# Altium PCB Gebru.PcbDoc (part 1 of 3) (continued)
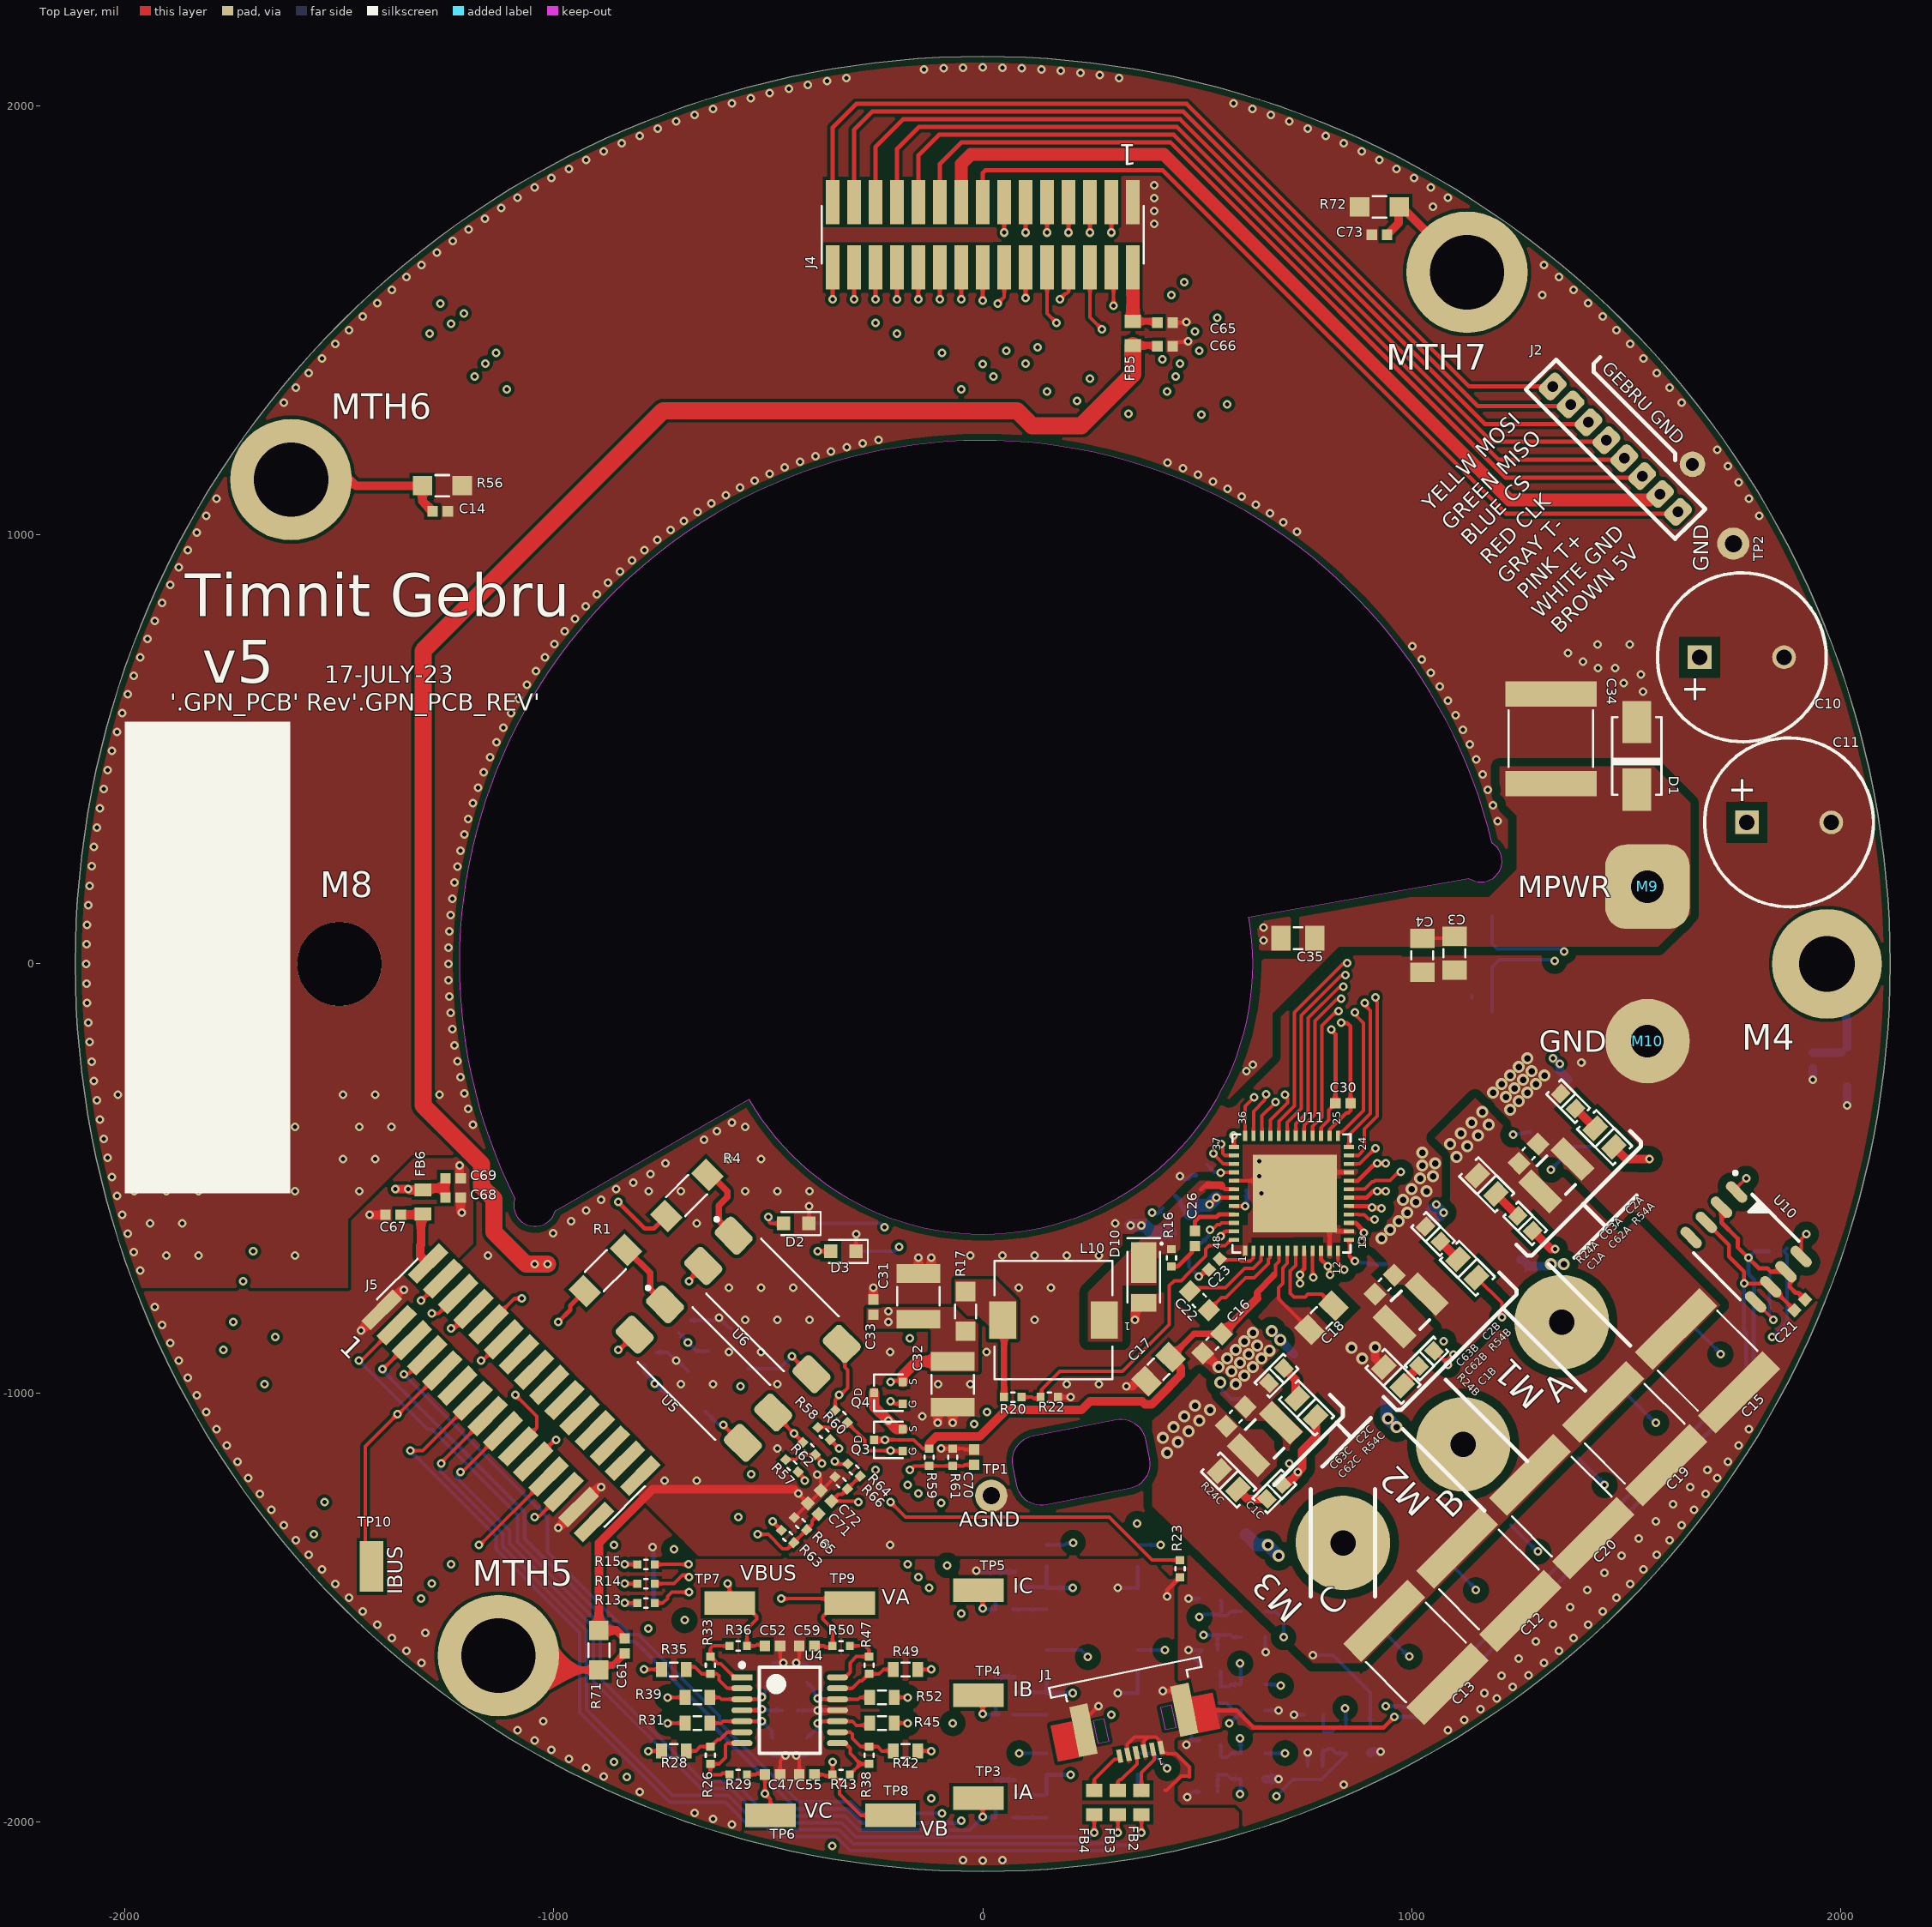
[diagram p0: Top Layer view]
## Footprints (in the part's own frame and the unit in brackets; to place one, negate y for a bottom-side part, rotate by r counter-clockwise, add the part's x,y. Pads: shape width x height; smd on the part's side, far side on the other; paste and mask are expansions set on the pad) (continued)
  rect 0.77x0.98 smd: 1(-0.715,0) 2(0.715,0)
  body extent -0.87,-0.48 0.87,0.48, height 1.05
Keystone_8737 [mm]
  round 5.6 hole 1.5 paste-1.27 mask+0.051: 1(0,0)
  body extent -2.68,-2.01 3.47,2, height 7.91
LEDSC160X80X90L40-BLUE [mm] "LED, Side Concave, 2-Leads, Body 1.60x0.80mm"
  rect 0.8x0.8 smd: 1(-0.75,0) 2(0.75,0)
  silkscreen extent -1.45,-0.69 0.86,0.69, body extent -0.8,-0.4 0.8,0.4, height 0.8
LEDSC160X80X90L40-GREEN [mm] "LED, Side Concave, 2-Leads, Body 1.60x0.80mm"
  rect 0.8x0.8 smd: 1(-0.75,0) 2(0.75,0)
  silkscreen extent -1.45,-0.69 0.86,0.69, body extent -0.8,-0.4 0.8,0.4, height 0.8
MOLEX_FPC_527460671 [mm]
  rect 0.3x0.8 smd mask+0.05: 1(-1.25,0.963) 2(-0.75,0.963) 3(-0.25,0.963) 4(0.25,0.963) 5(0.75,0.963) 6(1.25,0.963)
  rect 1.1x3.05 smd mask+0.05: M1(-3.05,-0.962) M2(3.05,-0.962)
  Top Layer region: -4.9,-1.637 -3.6,-1.637 -3.6,0.563 -4.9,0.563
  Top Layer region: 3.6,-1.636 4.9,-1.636 4.9,0.564 3.6,0.564
  Top Layer keep-out region: 1.7,-1.377 2.372,-1.377 2.372,-0.037 1.7,-0.037
  Top Layer keep-out region: -2.371,-1.378 -1.699,-1.378 -1.699,-0.038 -2.371,-0.038
  silkscreen extent -4.55,-3.84 4.55,-2.84, body extent -4.55,-3.84 4.55,1.16, height 2
NETTIE_10MIL [mil] "Net Tie 10 mils x 50 mils"
  round 10 smd paste-10 mask+4: 1(0,0) 2(0,-40)
  Top Layer lines w10: 0,0 0,-40
OPTO_HCPL-817-56CE [mm]
  rrect35% 2x1.5 smd mask+0.05: 1(-4.53,1.27) 2(-4.53,-1.27) 3(4.53,-1.27) 4(4.53,1.27)
  silkscreen extent -6.03,-2.3 3.25,2.3, body extent -3.25,-2.3 3.25,2.3, height 4.6
POWERDI123_DFLS1100-7 [mm]
  rect 1.05x1.5 smd mask+0.05: A(-1.525,0)
  rect 2.4x1.5 smd mask+0.05: K(0.85,0)
  silkscreen extent -1.5,-1.12 2.31,0.96, body extent -1.85,-0.89 1.85,0.89, height 0.99
R0402#1 [mm]
  rect 0.475x0.5 smd mask+0.05: 1(-0.513,0) 2(0.513,0)
  silkscreen extent -0.1,-0.28 0.1,0.28, body extent -0.5,-0.25 0.5,0.25, height 0.35
R0402#2 [mm]
  rect 0.475x0.5 smd mask+0.05: 1(-0.512,0)
  rect 0.5x0.475 smd mask+0.05: 2(0.512,0)
  silkscreen extent -0.1,-0.28 0.1,0.28, body extent -0.5,-0.25 0.5,0.25, height 0.35
R0402_H0.55MM [mm]
  rect 0.475x0.5 smd mask+0.05: 1(-0.513,0) 2(0.513,0)
  silkscreen extent -0.1,-0.28 0.1,0.28, body extent -0.53,-0.27 0.53,0.28, height 0.55
R0603 [mm] "Chip Resistor, 2-Leads, Body 1.6x0.8mm, IPC High Density"
  rect 0.65x0.9 smd mask+0.05: 1(-0.725,0) 2(0.725,0)
  silkscreen extent -0.23,-0.4 0.23,0.4, body extent -0.8,-0.4 0.8,0.4, height 0.45
R0805 [mm] "Chip Resistor, 2-Leads, Body 2.0x1.3mm, IPC High Density"
  rect 1.15x1.15 smd mask+0.05: 1(-1.175,0) 2(1.175,0)
  silkscreen extent -0.4,-0.63 0.4,0.63, body extent -1,-0.62 1,0.63, height 0.6
R1206 [mm] "Chip Resistor, 2-Leads, Body 3.1x1.6mm, IPC High Density"
  rect 1.25x1.5 smd mask+0.05: 1(-1.725,0) 2(1.725,0)
  silkscreen extent -0.92,-0.8 0.92,0.8, body extent -1.6,-0.8 1.6,0.8, height 0.6
R2512_H0.8MM [mm]
  rect 2.7x3.6 smd mask+0.05: 1(-2.825,0) 2(2.825,0)
  silkscreen extent -1.1,-1.5 1.1,1.5, body extent -3.18,-1.5 3.17,1.5, height 0.6
"RES 0402_1005 RF" [mm] "Chip Resistor, 2-Leads, Body 1.0x0.5mm, IPC High Density"
  rect 0.7x0.6 smd: 1(-0.45,0) 2(0.45,0)
  silkscreen extent -1.02,-0.51 1.02,0.51, body extent -0.5,-0.25 0.5,0.25, height 0.35
"RES 0805_2012 RF" [mm] "Chip Resistor, 2-Leads, Body 2.00x1.25mm, IPC High Density"
  rect 0.95x1.25 smd: 1(-0.775,0) 2(0.775,0)
  silkscreen extent -1.5,-0.8 1.5,0.8, body extent -1,-0.62 1,0.63, height 0.6
RESC100X50X40L25 [mm] "Chip Resistor, 2-Leads, Body 1.00x0.50mm, IPC Medium Density"
  rect 0.55x0.55 smd: 1(-0.525,0) 2(0.525,0)
  body extent -0.53,-0.28 0.52,0.27, height 0.4
SMA_B130-13-F [mm]
  rect 2.5x1.7 smd mask+0.05: A(2,0) K(-2,0)
  silkscreen extent -2.3,-1.46 2.3,1.46, body extent -2.79,-1.46 2.8,1.46, height 2.35
SOT23-3P95_240X110L43N [mm] "SOT23, 3-Leads, Body 2.92x2.37mm, Pitch 0.95mm, IPC Medium Density"
  rect 1x0.6 smd: 1(-1.2,0.95) 2(-1.2,-0.95) 3(1.2,0)
  silkscreen extent -1.32,-1.5 0.7,1.92, body extent -1.32,-1.52 1.32,1.52, height 1.11
"TI SOIC-8 D0008A" [mm] "Package SOIC-8, 8-Leades, 4.90 x 3.89 mm Body , Pitch 1.27 mm"
  oval 1.55x0.6 smd: 1(-2.7,1.905) 2(-2.7,0.635) 3(-2.7,-0.635) 4(-2.7,-1.905) 5(2.7,-1.905) 6(2.7,-0.635) 7(2.7,0.635) 8(2.7,1.905)
  silkscreen extent -3.65,-2.45 2.05,2.75, body extent -3,-2.45 3,2.45, height 1.75
TI_SON5X6 [mm] "SON, 8-Leads, Body 5.00x6.00mm, Pitch 1.27mm, IPC Medium Density"
  rect 1.372x0.71 smd: 1(-2.77,-0.635) 1(-2.77,0.635) 1(-2.77,1.905) 4(-2.77,-1.905) 5(2.77,1.905) 5(2.77,-1.905) 5(2.77,-0.635) 5(2.77,0.635)
  rect 3.85x4.52 smd: 5(0.94,0)
  silkscreen extent -3.65,-2.7 3.2,2.75, body extent -3.23,-2.59 2.87,2.51, height 1.05
TP_KEYSTONE_5001 [mil]
  round 75 hole 40: 1(0,0)
  body extent -50,-50 50,50, height 191
TP_KEYSTONE_5015 [mm]
  rect 3x1.4 smd: 1(0,0)
  body extent -1.33,-0.51 1.33,0.51, height 1.52
TUMT3 [mm]
  rect 0.5x0.5 smd mask+0.05: D(0,0.85) G(-0.65,-0.85) S(0.65,-0.85)
  silkscreen extent -1.08,-0.85 1.08,0.85, body extent -1,-1.05 1,1.05, height 0.89
VQFN50P700X700X100-48-TP_TP-CUST_NO_VIAS [mm]
  rect 0.6x0.24 smd mask+0.07: 1(-3.4,2.75) 2(-3.4,2.25) 3(-3.4,1.75) 4(-3.4,1.25) 5(-3.4,0.75) 6(-3.4,0.25) 7(-3.4,-0.25) 8(-3.4,-0.75) 9(-3.4,-1.25) 10(-3.4,-1.75) 11(-3.4,-2.25) 12(-3.4,-2.75) 25(3.4,-2.75) 26(3.4,-2.25) 27(3.4,-1.75) 28(3.4,-1.25) 29(3.4,-0.75) 30(3.4,-0.25) 31(3.4,0.25) 32(3.4,0.75) 33(3.4,1.25) 34(3.4,1.75) 35(3.4,2.25) 36(3.4,2.75)
  rect 0.24x0.6 smd mask+0.07: 13(-2.75,-3.4) 14(-2.25,-3.4) 15(-1.75,-3.4) 16(-1.25,-3.4) 17(-0.75,-3.4) 18(-0.25,-3.4) 19(0.25,-3.4) 20(0.75,-3.4) 21(1.25,-3.4) 22(1.75,-3.4) 23(2.25,-3.4) 24(2.75,-3.4) 37(2.75,3.4) 38(2.25,3.4) 39(1.75,3.4) 40(1.25,3.4) 41(0.75,3.4) 42(0.25,3.4) 43(-0.25,3.4) 44(-0.75,3.4) 45(-1.25,3.4) 46(-1.75,3.4) 47(-2.25,3.4) 48(-2.75,3.4)
  rect 4.6x4.975 smd paste-4.975 mask+0.07: 49(0,-0.188)
  silkscreen extent -3.5,-3.5 3.5,3.5, body extent -3.5,-3.5 3.5,3.5, height 1
WURTH_WCAP-PTHR_10x12.5x5 [mm] "Aluminium Polymer Radial THD Capacitors, §¶10x12.5mm"
  rect 1.4x1.4 hole 0.9: 1(2.5,0)
  round 1.4 hole 0.9: 2(-2.5,0)
  silkscreen extent -5,-5 5,5, body extent -4.99,-5 4.96,4.97, height 12.81

## Part data
C1A C1B C1C: library part C, "Automotive grade SMD 0603 capacitor such as Vishay GA....31G series. 1nF 0603 10% X7R 100V", Temperature Coefficient=X7R, Tolerance=10%, Voltage Rating=100V, Capacitance=1nF, Size Code=0603
C2A C2B C2C: library part C, "Automotive grade SMD 0603 capacitor such as Vishay GA....31G series. 2.2nF 0603 10% X7R 100V", Temperature Coefficient=X7R, Tolerance=10%, Voltage Rating=100V, Capacitance=2.2nF, Size Code=0603
C3 C4 C17 C18 C35: library part 1093, "CAP, CER, X7S, 1uF, 20%, 100V, 0805", Dielectric=X7S, Package=0805, Tolerance=20%, Voltage=100V, COMMON=150-01093-00, ComponentLink1Description=Datasheet, EES=150-04579-00, Gecko=150-01093-00, Height="1.5mm T", ID=1093, LOON=150-01093-00, MFG=TDK, MFG P/N=CGA4J3X7S2A105M125AE, PROXY=150-03473-00, Status=Released, XPN=XS-10001040
C5 C14 C26 C27 C28 C29 C41 C42 C43 C47 C55 C59 C61 C71 C72 C73: library part 625, "CAP, CER, X7R, 0.01uF, 50V, 20%, 0402, 0.56mm T", Dielectric=X7R, Package=0402, Tolerance=20%, Voltage=50V, COMMON=150-00227-00, ComponentLink1Description=Datasheet, EES=150-04592-00, Gecko=150-00227-00, Height="0.56mm T", ID=625, LOON=150-00227-00, MFG=KEMET, MFG P/N=C0402C103M5RACTU, Status=Released, XPN=150-00227-00
C10 C11: library part 31291c97-b9eb-436f-b2ee-2be21f893d37, "WCAP-PTHR ALUMINUM POLYMER CAP", Manufacturer="Wurth Electronics", Manufacturer Part Number=870056175004, Operating Temperature="-55 °C ~ 105 °C", Package="Cap, Radial, Thru-Hole", Tolerance=0.2, Voltage Rating=80V, Category="Polymer Capacitors", ComponentId=31291c97-b9eb-436f-b2ee-2be21f893d37, ComponentLink1Description=Datasheet, ComponentLink1URL=https://katalog.we-online.de/pbs/datasheet/870056175004.pdf, Grade=Commercial, Status=Preliminary
C12 C13 C15 C19 C20 C34: library part 207, "CAP, CER, X7S, 15uF, 100V, 20%, 2220, 2.8mm T", Dielectric=X7S, Package=2220, Tolerance=20%, Voltage=100V, COMMON=150-00255-00, ComponentLink1Description=Datasheet, Height="2.8mm T", ID=207, MFG=TDK, MFG P/N=C5750X7S2A156M250KB, Status=Released, XPN=150-00255-00
C16 C36 C63A C63B C63C: library part 1039, "CAP, CER, X7S, 0.1uF, 100V, 10%, 0603, AUTOGRADE", Dielectric=X7R, Package=0603, Tolerance=10%, Voltage=100V, COMMON=150-00222-00, ComponentLink1Description=Datasheet, EES=150-04577-00, Gecko=150-04433-00, Height="0.9mm T", ID=1039, LOON=150-00222-00, MFG=TDK, MFG P/N=CGA3E3X7S2A104K080AB, PROXY=150-03755-00, Status=Released, XPN=150-00222-00
C21 C24 C30 C33 C38 C39 C40 C46 C52 C65 C66 C67 C68 C70: library part 1762, "CAP, CER, X5R, 0.1uF, 10%, 50V, 0402, 0.55mm", Dielectric=X5R, Package=0402, Supplier Part Number 1=311-3342-1-ND, Tolerance=10%, Voltage=50V, ComponentLink1Description=Datasheet, ComponentLink1URL=http://www.yageo.com/documents/recent/UPY-GPHC_X5R_4V-to-50V_25.pdf, EES=150-04581-00, EPIC=G150-02449-00, Height=0.55mm, HelpURL=https://www.digikey.com/product-detail/en/yageo/CC0402KRX5R9BB104/311-3342-1-ND/6818312, ID=1762, MFG=YAGEO, MFG P/N=CC0402KRX5R9BB104, Status=Released, Supplier 1=Digi-Key
C22: library part 1838, "CAP, CER, X7R, 0.047uF, 100V, 10%, 0603, AUTOGRADE", Dielectric=X7R, Package=0603, Supplier Part Number 1=1276-6984-1-ND, Tolerance=10%, Voltage=100V, ComponentLink1Description=Datasheet, ComponentLink1URL=https://www.samsungsem.com/resources/file/global/support/product_catalog/MLCC.pdf, EES=150-04561-00, Height=0.9mm, HelpURL=https://www.digikey.com/product-detail/en/samsung-electro-mechanics/CL10B473KC8WPNC/1276-6984-1-ND/7320626, ID=1838, MFG="Samsung Electro-Mechanics", MFG P/N=CL10B473KC8WPNC, Status=Released, Supplier 1=Digi-Key
C23 C25 C37 C69: library part 1717, "CAP, CER, X5R, 1uF, 10%, 25V, 0402", Dielectric=X5R, Package=0402, Supplier Part Number 1=445-9066-1-ND, Tolerance=10%, Voltage=25V, COMMON=150-01202-00, ComponentLink1Description=Datasheet, ComponentLink1URL=https://product.tdk.com/info/en/catalog/datasheets/mlcc_commercial_general_en.pdf, EES=150-04580-00, Height=0.56mm, HelpURL=https://www.digikey.in/product-detail/en/tdk-corporation/C1005X5R1E105K050BC/445-9066-1-ND/3648637, ID=1717, MFG=TDK, MFG P/N=C1005X5R1E105K050BC, PROXY=150-03358-00, Status=Released, Supplier 1=Digi-Key
C31 C32: library part 1813, "CAP, CER, X5R, 10uF, 50V, 20%, 1210", Dielectric=X5R, Package=1210, Supplier Part Number 1=587-2225-1-ND, Tolerance=20%, Voltage=50V, ComponentLink1Description=Datasheet, ComponentLink1URL=https://media.digikey.com/pdf/Data%20Sheets/Taiyo%20Yuden%20PDFs%20URL%20links/UMK325BJ106MM-T_Spec.pdf, EES=150-04569-00, Gecko=150-04488-00, Height=2.7mm, HelpURL=https://www.digikey.com/product-detail/en/taiyo-yuden/UMK325BJ106MM-T/587-2225-1-ND/2002923, ID=1813, MFG="TAIYO YUDEN", MFG P/N=UMK325BJ106MM-T, Status=Released, Supplier 1=Digi-Key
C44 C45 C48 C49 C50 C51 C53 C54 C56 C57 C58 C60: library part 1447, "CAP, CER, C0G, 47PF, 5%, 50V, 0402", Dielectric=NP0, Package=0402, Tolerance=5%, Voltage=50V, COMMON=150-00181-00, ComponentLink1Description=Datasheet, Height="0.56mm T", ID=1447, MFG=TDK, MFG P/N=C1005C0G1H470J050BA, PROXY=150-03463-00, Status=NRND, XPN=150-00181-00
C62A C62B C62C: "CAP CER 4.7UF 100V X7S 1210", Capacitance=4.7µF, Manufacturer="TDK Corporation", Manufacturer Part Number=C3225X7S2A475M200AB, Operating Temperature="-55°C ~ 125°C", Package / Case="1210 (3225 Metric)", Part Number=150-01016-00, Ratings=-, Supplier Part Number 1=445-6043-1-ND, Temperature Coefficient=X7S, Tolerance=±20%, Voltage - Rated=100V, Applications="General Purpose", Category=Capacitors, ComponentLink1Description=http://product.tdk.com/en/catalog/datasheets/mlcc_commercial_midvoltage_en.pdf, ComponentLink1URL=http://product.tdk.com/en/catalog/datasheets/mlcc_commercial_midvoltage_en.pdf, Features=-, Height - Seated (Max)=-, Lead Spacing=-, Lead Style=-, Mounting Type="Surface Mount, MLCC", Packaging="Cut Tape (CT)", Pricing 1="1=1.4, 10=1.148, 100=0.812, 250=0.672, 500=0.602 (USD)", RoHS="RoHS Compliant", Size / Dimension="0.126\" L x 0.098\" W (3.20mm x 2.50mm)", Stock 1=146032, Supplier 1=Digi-Key, Thickness (Max)="0.087\" (2.20mm)"
D1: library part 200, "DIODE, TVS, UNI-DIR, 70VR, 100VCL, 400W, 140PF @1MHZ, SMA", Operating Temperature – Junction="-55°C ~ 150°C (TJ)", Package=SMA, Supplier Part Number 1=SMAT70A-FDICT-ND, Voltage - Clamping (Max) @ Ipp=100V, Voltage - DC Reverse (VR) (MAX)=70V, Category=Diode, ComponentLink1Description=Datasheet, ComponentLink1URL=https://www.diodes.com/assets/Datasheets/ds30213.pdf, Diode Type=TVS, HelpURL=https://www.digikey.in/product-detail/en/diodes-incorporated/SMAT70A-13-F/SMAT70A-FDICT-ND/804910, ID=200, MFG="Diodes Incorporated", MFG P/N=SMAT70A-13-F, Mounting Type=SMD, PROXY=480-01326-00, RoHS Compliant=Yes, Status=Released, Supplier 1=Digi-Key
D2: library part 97055cde-46be-5a44-ad2e-f3c9fb2da68b, "LED, GREEN, 569nm, 30mA, CLEAR, 0603", Current Rating=0.030A, Manufacturer="Lite-On Optoelectronics", Manufacturer Part Number=LTST-C190GKT, Operating Temperature="-55 °C ~ 85 °C", Package="0603 (1608 Metric)", Part Number=370-00010-00, Power Rating=0.100W, Category="Light Emitting Diodes (LED)", ComponentId=97055cde-46be-5a44-ad2e-f3c9fb2da68b, ComponentLink1Description=Datasheet, ComponentLink1URL=http://media.digikey.com/pdf/Data%20Sheets/Lite-On%20PDFs/LTST-C190GKT.pdf, Max Height=0.90mm, Status=Released, Storage Temperature="-55 °C ~ 85 °C"
D3: library part f11939b8-268a-575b-b7c2-77af98891583, "LED, BLUE, 470nm, 15mA, DIFFUSED, 0603", Current Rating=0.015A, Manufacturer="Osram Opto", Manufacturer Part Number="LB Q39G-L2N2-35-1", Operating Temperature="-40 °C ~ 85 °C", Package="0603 (1608 Metric)", Part Number=370-00009-00, Power Rating=0.048W, Category="Light Emitting Diodes (LED)", ComponentId=f11939b8-268a-575b-b7c2-77af98891583, ComponentLink1Description=Datasheet, ComponentLink1URL=https://media.digikey.com/pdf/Data%20Sheets/Osram%20PDFs/LB_LT%20Q39G.pdf, Max Height=0.40mm, Status=Released, Storage Temperature="-40 °C ~ 85 °C"
D10: library part 203, "DIODE, SCHOTTKY, 100V, 1A, POWERDI123", Current - Average Rectified (IO)=1A, Current - Reverse Leakage @ VR="1µA @ 100V", Operating Temperature – Junction="-55°C ~ 175°C", Package=POWERDI®123, Supplier Part Number 1=DFLS1100DICT-ND, Voltage - DC Reverse (VR) (MAX)=100V, Voltage – Forward (VF) (MAX) @ IF="770mV @ 1A", Category=Diode, ComponentLink1Description=Datasheet, ComponentLink1URL=https://www.diodes.com/assets/Datasheets/ds30497.pdf, Diode Type=Schottky, EES=480-01752-00, HelpURL=https://www.digikey.in/product-detail/en/diodes-incorporated/DFLS1100-7/DFLS1100DICT-ND/765634?utm_adgroup=Semiconductor+Modules&mkwid=sEPp89yZo&pcrid=217293262460&pkw=&pmt=b&pdv=c&productid=&&gclid=EAIaIQobChMI07vviJLx3AIVWBiPCh384A5OEAAYAyAAEgIdtPD_BwE, ID=203, MFG="Diodes Incorporated", MFG P/N=DFLS1100-7, Mounting Type=SMD, PROXY=480-01332-00, RoHS Compliant=Yes, Status=Released, Supplier 1=Digi-Key
FB2 FB3 FB4 FB5 FB6: library part f5bd4cf1-070f-4480-bf1a-f8cba0e78574, "FERRITE BEAD 220 OHM 0603 1LN", Current Rating=2A, Manufacturer="Laird Technologies", Manufacturer Part Number=MI0603L221R-10, Operating Temperature="-40 °C ~ 125 °C", Package="Inductor, 0603", Category="Ferrite Beads", ComponentId=f5bd4cf1-070f-4480-bf1a-f8cba0e78574, ComponentLink1Description=Datasheet, ComponentLink1URL=https://media.digikey.com/pdf/Data%20Sheets/Laird%20Technologies/EMI_Filtering_and_RF_Inductors.pdf, Grade=Commercial, Status=Preliminary, Storage Temperature="-40 °C ~ 125 °C"
J1: library part 1210, "CONN, FFC, RA, 1x6 P, 0.5MM PITCH, 2.3MM H, GOLD, SMD", Current Rating=0.5A, Operating Temperature="-20°C ~ 85°C", Supplier Part Number 1=WM7977TR-ND, Voltage, Rated=50V, ComponentLink1Description=Datasheet, ComponentLink1URL=https://www.molex.com/pdm_docs/sd/527460671_sd.pdf, Connector Type=FFC, EES=210-04996-00, Features="Contacts, Bottom", Height=2.3mm, HelpURL=https://www.digikey.com/en/products/detail/molex/0527460671/2074148?s=N4IgTCBcDaIKxgOwBYBsAGViCMIC6AvkA, ID=1210, MFG=Molex, MFG P/N=527460671, Mounting Type="Surface Mount", Number of Positions=6, Number of Rows=1, Orientation="Right Angle", Pitch=0.5mm, RoHS Compliant=Yes, Status=Released, Sub Assy Qty 2=0, Sub Assy Qty 3=0, Sub Assy Qty 4=0, Supplier 1=Digi-Key
J4 J5: library part 1207, "CONN, HDR, UNSHRD, VERT, 2x15 P, 1.27MM PITCH, 5.33MM H, GOLD, SMD", Current Rating=1A, Operating Temperature="-40°C ~ 105°C", Supplier Part Number 1=952-1695-ND, ComponentLink1Description=Datasheet, ComponentLink1URL=https://cdn.harwin.com/pdfs/M50-360.pdf, Connector Type=Header, EES=210-04985-00, Gender=Male, Height=5.33mm, HelpURL=https://www.digikey.com/en/products/detail/harwin-inc/M50-3601542/2762094, ID=1207, MFG="Harwin Inc.", MFG P/N=M50-3601542, Mounting Type="Surface Mount", Number of Positions=30, Number of Rows=2, Orientation=Vertical, Pitch=1.27mm, RoHS Compliant=Yes, Row Spacing=1.27mm, Status=Released, Sub Assy Qty 2=0, Sub Assy Qty 3=0, Sub Assy Qty 4=0, Supplier 1=Digi-Key
L10: library part 938, "IND, WIREWOUND, SHIELDED, 220uH, 0.74A, 20%, DCR 0.624, SMD, AUTOGRADE", Package="2 - pin SMD", Supplier Part Number 1=994-MSS7348-224MEB, Tolerance=20%, Catagory="Fixed Inductors", ComponentLink1Description=Datasheet, ComponentLink1URL=https://www.coilcraft.com/en-us/products/power/shielded-inductors/ferrite-drum/mss-mos/mss7348/#, EES=180-02231-00, Height=4.8mm, HelpURL=https://www.mouser.in/ProductDetail/Coilcraft/MSS7348-224MEB?qs=0gpYmj5HUPI60pjVHs4RmA%3D%3D, ID=938, Idc max="740 mA", MFG=Coilcraft, MFG P/N=MSS7348-224ME_, Rdc max="624 mOhms", Status=Released, Supplier 1=Mouser
M1 M2 M3: library part Keystone_8737_post, "1.5mm hole 5.6mm pad"
M4: library part MtgHole_2
M8: library part MtgHole
M9 M10: library part MtgHole_1
MTH5 MTH6 MTH7: library part Wurth_4mm_Spacer_9774040960R, "Spacer Material: Steel Mounting: SMT Series: WA-SMST For ø: 3.3 mm", Manufacturer="Wurth Electronics", Supplier Part Number 1=732-7092-1-ND, Category="Spacers, Standoffs", ComponentLink1Description=http://www.farnell.com/datasheets/1960394.pdf?src-supplier=Farnell, ComponentLink1URL=http://www.farnell.com/datasheets/1960394.pdf?src-supplier=Farnell, ComponentLink2Description=http://www.mouser.com/ds/2/445/9774040960R-611108.pdf?src-supplier=Mouser, ComponentLink2URL=http://www.mouser.com/ds/2/445/9774040960R-611108.pdf?src-supplier=Mouser, ComponentLink3Description=https://media.digikey.com/pdf/Data%20Sheets/Wurth%20Electronics%20PDFs/WA-SMSx_Performance_Flyer.pdf?src-supplier=Digi-Key, ComponentLink3URL=https://media.digikey.com/pdf/Data%20Sheets/Wurth%20Electronics%20PDFs/WA-SMSx_Performance_Flyer.pdf?src-supplier=Digi-Key, ComponentLink4Description=http://www.farnell.com/datasheets/1960394.pdf?src-supplier=Element14, ComponentLink4URL=http://www.farnell.com/datasheets/1960394.pdf?src-supplier=Element14, ComponentLink5Description=http://www.farnell.com/datasheets/1960394.pdf?src-supplier=Newark, ComponentLink5URL=http://www.farnell.com/datasheets/1960394.pdf?src-supplier=Newark, Inside Diameter=0.13inch, Length=0.213inch, Manufacturer Part Number=9774040960R, Material=Steel, Outside Diameter=0.236inch, Plating=Tin, Pricing 1="1=1.79000, 10=1.71600, 50=1.50700, 100=1.40200 (USD)", REACH SVHC=Unknown, RoHS=Yes, Stock 1=190, Supplier 1=Digi-Key, Threaded/Unthreaded=Unthreaded
NT1A NT1B NT1C: library part 5ac3c692-7d27-4cd1-ace3-d4aa111a5a9d, "Net Tie, 10mil trace", Manufacturer=Mechanical, Manufacturer Part Number=NET_TIE_10MIL, Category="Mechanical Parts", ComponentId=5ac3c692-7d27-4cd1-ace3-d4aa111a5a9d, ComponentLink1Description=Datasheet, Package="Net Tie, 10mil trace", Status=Preliminary
Q1A Q1B Q1C Q2A Q2B Q2C: library part be020311-d2d7-4d79-a360-c856c6f37d83, "MOSFET N-CH 100V 100A 8SON", Current Rating=100A, Manufacturer="Texas Instruments", Manufacturer Part Number=CSD19532Q5B, Operating Temperature="-55 °C ~ 150 °C", Package="8-PowerTDFN SON5x6", Part Number=480-00437-00, Power Rating=195W, Voltage Rating=100V, Category="N-Channel MOSFETs", ComponentId=be020311-d2d7-4d79-a360-c856c6f37d83, ComponentLink1Description=Datasheet, ComponentLink1URL=http://www.ti.com/lit/ds/symlink/csd19532q5b.pdf, Grade=Commercial, Max Height=1.05mm, Status=Preliminary, Storage Temperature="-55 °C ~ 150 °C"
Q3 Q4: library part 171, "MOSFET, PWR, P-CH, 45VDS, 1A ID, 460mOhm@ 1A, SMD-3", Current - Continuios Drain (ID) @ 25° C="1A (Ta)", Input Capacitance (CISS) @ VDS="160pF @ 10V", Operating Temperature="150°C (TJ)", Package=TUMT3, Power - Max="800mW (Ta)", Supplier Part Number 1=RSF010P05TLCT-ND, Voltage - Drain To Source (VDSS)=45V, Category=MOS-FET, ComponentLink1Description=Datasheet, ComponentLink1URL=https://d1d2qsbl8m0m72.cloudfront.net/en/products/databook/datasheet/discrete/transistor/mosfet/rsf010p05tl-e.pdf, EES=480-01747-00, FET Type=P-Channel, Gate Charge (QG) @ VGS="2.3nC @ 5V", Height=0.85mm, HelpURL=https://www.digikey.com/product-detail/en/rohm-semiconductor/RSF010P05TL/RSF010P05TLCT-ND/9952105, ID=171, MFG="Rohm Semiconductor", MFG P/N=RSF010P05TL, Mounting Type=SM, RDS On (Max) @ ID, VGS="460mOhm @ 1A, 10V", RoHS Compliant=Yes, Status=Released, Supplier 1=Digi-Key, VGS(TH) (Max) @ ID="2.5V @ 1mA"
Q5 Q6: library part ed20cc43-0059-5b34-85f4-540c7b2cf9db, "XSTR, MOSFET, ENHANCEMENT MODE, N-CH, 100V, 0.17A, SOT23-3", Current Rating=0.17A, Manufacturer="ON Semiconductor", Manufacturer Part Number=BSS123, Operating Temperature="-55 °C ~ 150 °C", Package=SOT-23, Part Number=480-00042-00, Power Rating=0.36W, Voltage Rating=100V, Category="N-Channel MOSFETs", ComponentId=ed20cc43-0059-5b34-85f4-540c7b2cf9db, ComponentLink1Description=Datasheet, ComponentLink1URL=https://www.fairchildsemi.com/datasheets/BS/BSS123.pdf, Max Height=1.11mm, Status=Released, Storage Temperature="-55 °C ~ 150 °C"
R1 R4: library part 3733, "Resistor, 3.30K Ohms, 1206, 0.25W, ±1%", Package=1206, Power=1/4W, Supplier Part Number 1=RMCF1206FT3K30CT-ND, Tolerance=1%, COMMON=470-07121-00, Height=0.70mm, ID=3733, MFG="STACKPOLE ELECTRONICS", MFG P/N=RMCF1206FT3K30, Status=Released, Supplier 1=Digi-Key, XPN=XS-10017830
R2: library part 78eec7e5-34dd-5b0c-8bd5-fdbc658ba047, "Res, 18.2k, +/-1%, 0.1W, 0402, AUTO GRADE", Manufacturer=Panasonic, Manufacturer Part Number=ERJ2RKF1822X, Operating Temperature="-55 °C ~ 155 °C", Package=0402, Power Rating=0.1W, Temperature Coefficient="-100/+100 ppm/degC", Tolerance=+/-1%, Voltage Rating=50V, Category="Thick Film Resistors", ComponentId=78eec7e5-34dd-5b0c-8bd5-fdbc658ba047, ComponentLink1Description=Datasheet, ComponentLink1URL=http://industrial.panasonic.com/cdbs/www-data/pdf/RDA0000/AOA0000C304.pdf, Grade=Automotive, Max Height=0.40mm, Status=Preliminary, Storage Temperature="-55 °C ~ 155 °C"
R3 R56 R71 R72: library part 5492, "Resistor, 432K Ohms, 0805, 0.125W, ±1%", Package=0805, Power=1/8W, Supplier Part Number 1=311-432KCRCT-ND, Tolerance=1%, COMMON=470-08723-00, Gecko=470-08723-00, Height=0.60mm, ID=5492, LOON=470-08723-00, MFG=YAGEO, MFG P/N=RC0805FR-07432KL, Status=Released, Supplier 1=Digi-Key, XPN=XS-10019230
R5 R9 R11 R13 R14 R15 R25 R29 R36 R43 R50: library part 7286, "RES, 100, 1%, 1/10W, 0402, AUTO GRADE", Package=0402, Power=1/10W, Tolerance=1%, COMMON=470-00294-00, ID=7286, MFG=PANASONIC, MFG P/N=ERJ2RKF1000X, PROXY="Use ID #8481", Status=Released, XPN=470-00294-00
R6 R7 R8 R10: library part 9999, "RES, 0.0015, 1%, 3W, 2512", Package=2512, Power=3W, Supplier Part Number 1=A131795CT-ND, Tolerance=1%, Catagory="Chip Resistor - Surface Mount", ComponentLink1Description=Datasheet, ComponentLink1URL=https://www.te.com/commerce/DocumentDelivery/DDEController?Action=srchrtrv&DocNm=1773449-3&DocType=DS&DocLang=English, EES=470-17948-00, Height=0.8mm, HelpURL=https://www.digikey.com/product-detail/en/te-connectivity-passive-product/TLR3A30DR0015FTDG/A131795CT-ND/8603925, ID=9999, MFG="TE Connectivity Passive Product", MFG P/N=TLR3A30DR0015FTDG, Status=Released, Supplier 1=Digi-Key
R16: library part 8004, "RES, 0, JUMPER, 1/16W, 0402", Package=0402, Power=1/16W, Tolerance=JUMPER, COMMON=470-02332-00, Gecko=470-17892-00, ID=8004, MFG=YAGEO, MFG P/N=RC0402FR-070RL, PROXY="Use ID #2", Status=Released, XPN=470-02332-00
R17: library part 8516, "RES, 1.3, 1%, 1/2W, AUTOGRADE, 0805", Package=0805, Power=1/2W, Supplier Part Number 1=P19271CT-ND, Tolerance=1%, Catagory=Resistor, ComponentLink1Description=Datasheet, ComponentLink1URL=https://industrial.panasonic.com/cdbs/www-data/pdf/RDN0000/AOA0000C313.pdf, Height=0.70mm, HelpURL=https://www.digikey.in/product-detail/en/panasonic-electronic-components/ERJ-6DQF1R3V/P19271CT-ND/6004626, ID=8516, MFG="Panasonic Electronic Components", MFG P/N=ERJ-6DQF1R3V, Status=Released, Supplier 1=Digi-Key
R18 R63 R64: library part 8801, "RES, 432K, 1%, 1/16W, 0402", Package=0402, Power=1/16W, Tolerance=1%, ComponentLink1Description=Datasheet, ComponentLink1URL=http://www.vishay.com/docs/28773/crcwce3.pdf, Height=0.45mm, HelpURL=https://www.digikey.com/products/en?keywords=CRCW0402432KFKED, ID=8801, MFG=VISHAY, MFG P/N=CRCW0402432KFKED, PROXY="Use ID #9276", Status=Released, Supplier 1=Digi-Key
R19: library part 5074, "RES, 133K, 1%, 1/16W, 0402, AUTOGRADE", Package=0402, Power=1/16W, Supplier Part Number 1=541-133KLCT-ND, Tolerance=1%, COMMON=470-02579-00, Gecko=470-17712-00, Height=0.40mm, ID=5074, MFG=VISHAY, MFG P/N=CRCW0402133KFKED, Orbital=470-18085-00, PROXY="Use ID #9237", Status=Released, Supplier 1=Digi-Key, XPN=XS-10013881
R20 R26 R32 R33 R38 R40 R46 R47 R53 R57 R58 R60 R62 R69 R70: library part 7216, "RES, 10K, 1%, 1/10W, 0402, AUTOGRADE", Package=0402, Power=1/10W, Tolerance=1%, COMMON=470-00319-00, Gecko=470-17736-00, ID=7216, MFG=PANASONIC, MFG P/N=ERJ2RKF1002X, Status=Released, XPN=470-00319-00
R21: library part 07680e2d-088d-5a06-a7a1-fe9cd6488fb2, "Res, 82k, +/-1%, 0.1W, 0402, AUTO GRADE", Manufacturer=Panasonic, Manufacturer Part Number=ERJ2RKF8202X, Operating Temperature="-55 °C ~ 155 °C", Package=0402, Part Number=470-01975-00, Power Rating=0.1W, Temperature Coefficient="-100/+100 ppm/degC", Tolerance=+/-1%, Voltage Rating=50V, Category="Thick Film Resistors", ComponentId=07680e2d-088d-5a06-a7a1-fe9cd6488fb2, ComponentLink1Description=Datasheet, ComponentLink1URL=http://industrial.panasonic.com/cdbs/www-data/pdf/RDA0000/AOA0000C304.pdf, Grade=Automotive, Max Height=0.40mm, Status=Preliminary, Storage Temperature="-55 °C ~ 155 °C"
R22: library part 8684, "RES, 1.15K, 1%, 1/16W, 0402", Package=0402, Power=1/16W, Tolerance=1%, ComponentLink1Description=Datasheet, ComponentLink1URL=http://www.vishay.com/docs/28773/crcwce3.pdf, Height=0.45mm, HelpURL=https://www.digikey.com/products/en?keywords=CRCW04021K15FKED, ID=8684, MFG=VISHAY, MFG P/N=CRCW04021K15FKED, PROXY="Use ID #9098", Status=Released, Supplier 1=Digi-Key